# KiCad board Combined.kicad_pcb (continued)
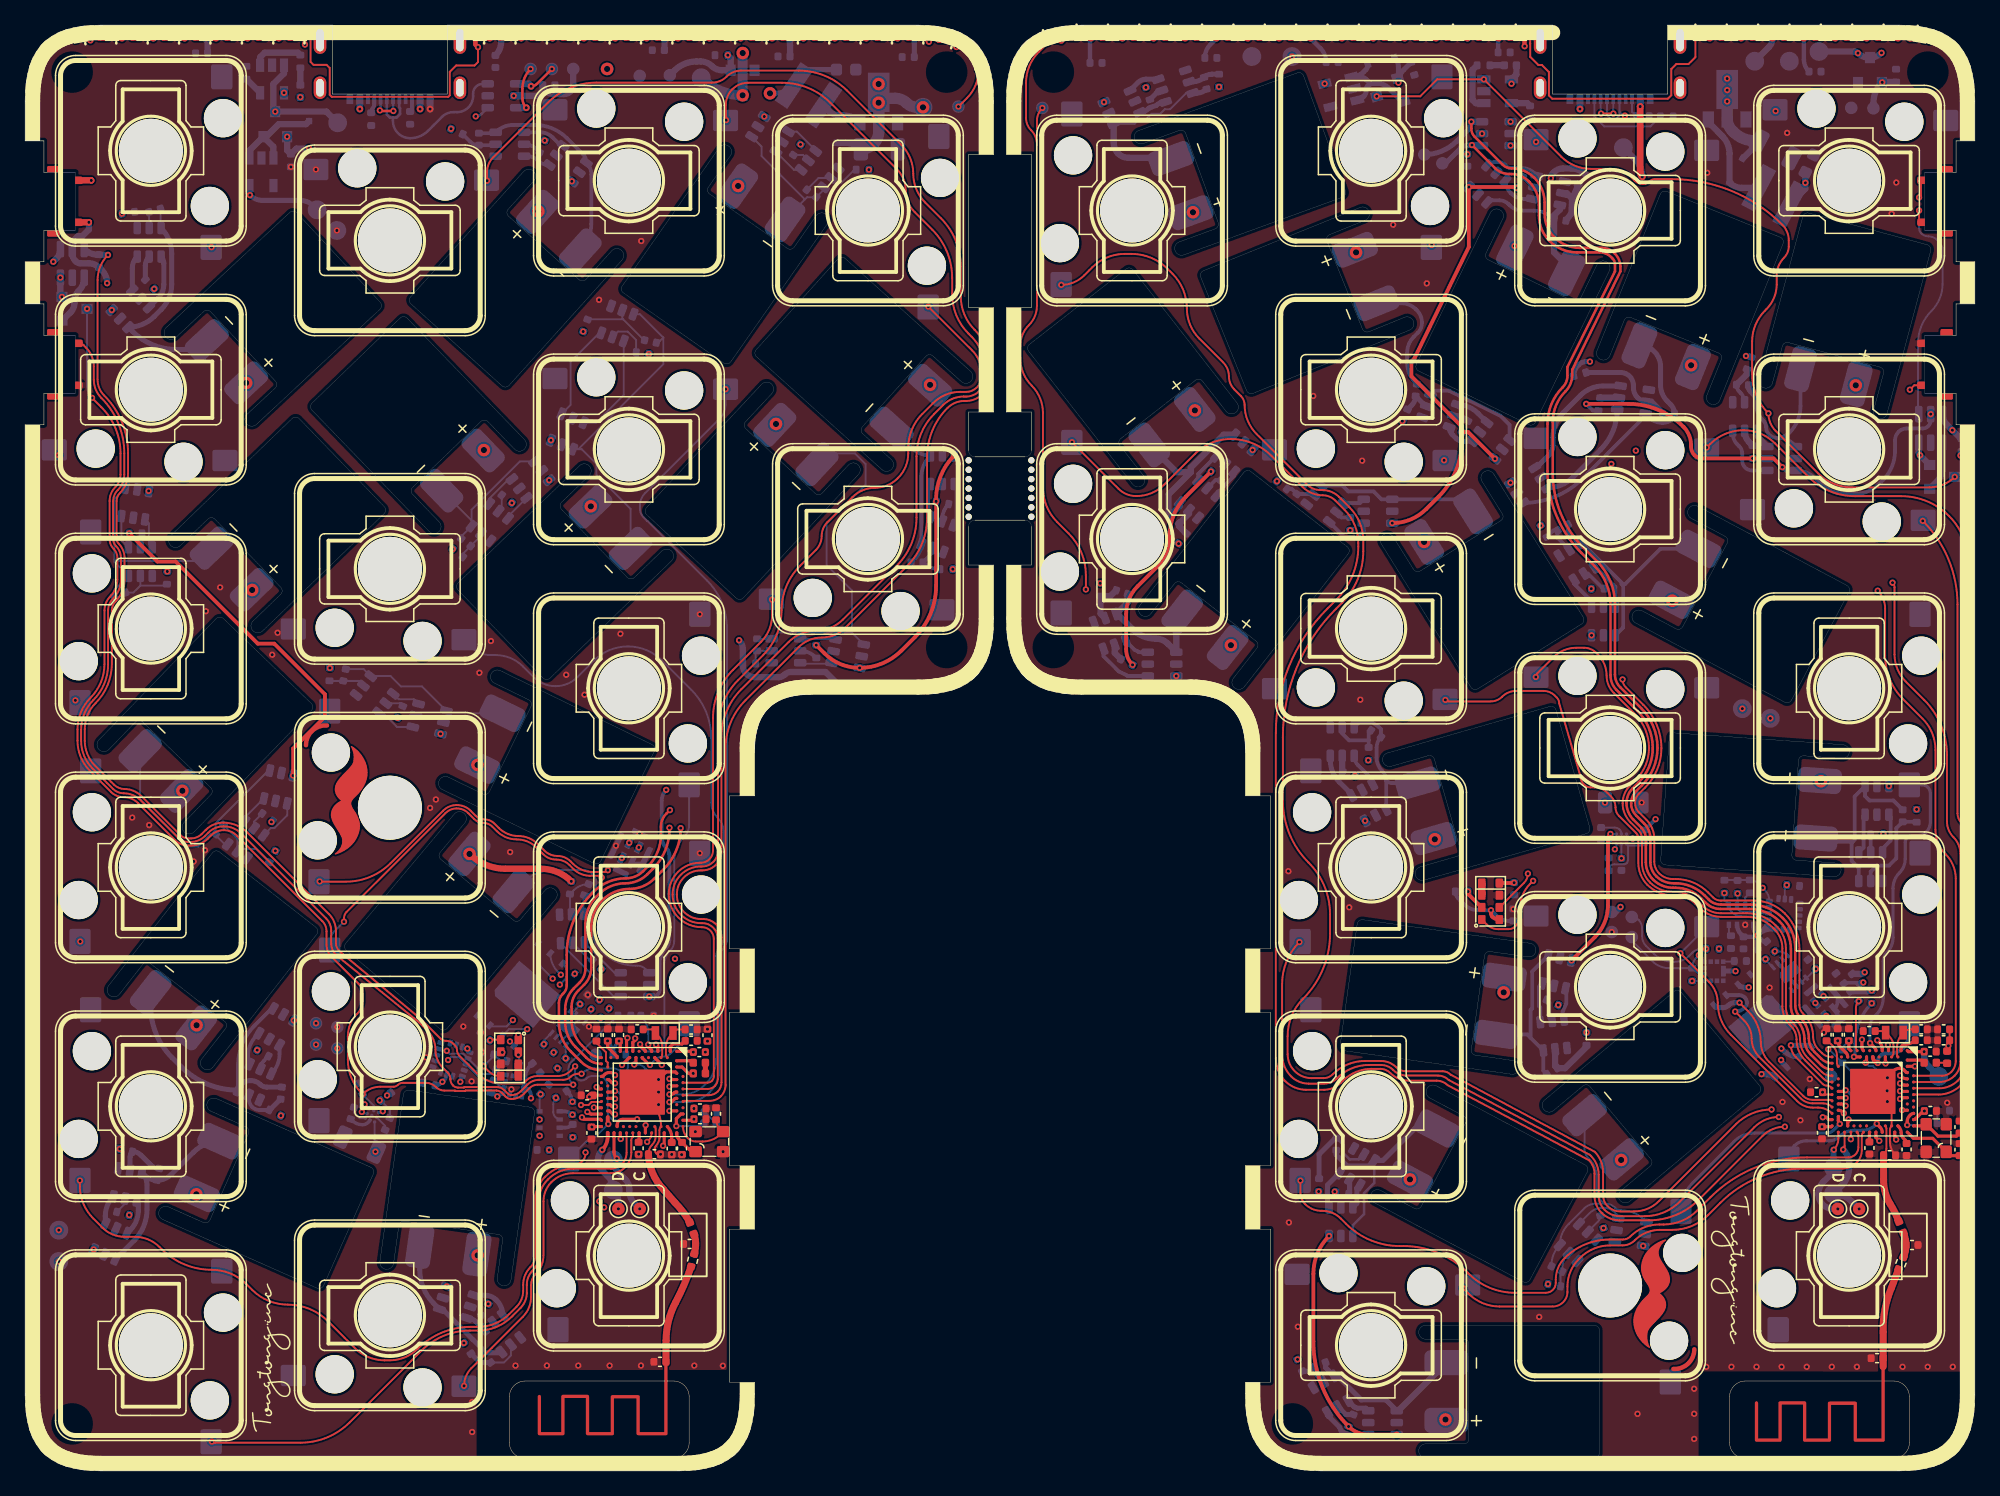
[diagram p0: board, top side]
## Routing (per net, layer and track width the routed paths; a pad name or vN(x,y) marks a point on that pad's centre or on a via; arc(x,y) is an arc through that point) (continued)
P0.30: length 154
  Top w0.15: v2(45.96,47.32) 45.89,47.39 arc(45.81,47.44) 45.72,47.46 45.03,47.46 arc(44.31,47.6) 43.69,48.02 43.39,48.32 arc(42.91,48.64) 42.34,48.75 arc(41.77,48.86) 41.29,49.18 40.77,49.7 arc(40.04,50.19) 39.19,50.36 arc(38.33,50.53) 37.6,51.02 37.23,51.38 arc(36.9,51.6) 36.52,51.68 arc(36.13,51.76) 35.8,51.98 35.32,52.45 arc(34.91,52.73) 34.41,52.83 arc(33.92,52.73) 33.5,52.45 25.62,44.57 arc(25.47,44.35) 25.42,44.09 v2(25.42,43.8)
  Top w0.25: v2(149.43,31.53) 149.48,31.49 arc(149.72,31.32) U30.B9 ; U30#2.B9 51.45,31.21 arc(51.41,31.22) 51.38,31.24 v2(51.36,31.27)
  In1.Cu w0.15: v2(149.43,31.53) 149.77,31.53 arc(150.77,31.73) 151.61,32.29 arc(152.79,34.05) 153.2,36.13 153.2,67.71 arc(152.86,69.46) 151.86,70.94 151.54,71.27 arc(150.47,71.98) 149.21,72.23 149.21,72.23 arc(147.67,72.54) 146.36,73.41 144.85,74.92 arc(144.46,75.51) 144.32,76.2 arc(144.08,77.44) 143.38,78.49 139.66,82.21 arc(137.76,83.48) 135.52,83.92 134.52,83.92 arc(132.99,84.23) 131.69,85.09 130.35,86.44 arc(129.68,86.89) 128.88,87.04 126.35,87.04 arc(125.49,87.21) 124.75,87.7 124.38,88.08 arc(124.26,88.26) 124.21,88.47 arc(124.25,88.68) 124.37,88.85 125.07,89.55 127.87,96.46 arc(127.78,96.88) 127.55,97.23 127.53,97.24 arc(127.26,97.43) 126.93,97.49 126.28,97.49 arc(125.01,97.75) 123.93,98.47 121.63,100.77 arc(120.73,102.11) 120.41,103.7 120.41,105.96 arc(120.42,105.97) v2(120.42,105.98)
  In2.Cu w0.15: v2(51.36,31.27) 51.89,31.27 arc(52.17,31.21) 52.41,31.05 arc(52.63,30.9) 52.89,30.85 53.41,30.85 arc(53.85,30.94) 54.22,31.19 54.66,31.63 arc(54.87,31.93) 54.94,32.29 54.94,39.06 arc(54.52,41.15) 53.34,42.93 50.63,45.63 arc(49.42,46.44) 47.99,46.73 47.4,46.73 arc(46.62,46.88) v2(45.96,47.32)
  Bottom w0.15: K8.2 24.27,42.1 arc(24.38,42.62) 24.67,43.05 v2(25.42,43.8)
P0.31: length 82
  Top w0.15: U30.A8 152.79,31.51 arc(153.18,31.59) 153.51,31.81 arc(153.78,32.21) 153.87,32.68 153.87,47.23 arc(153.66,48.29) 153.06,49.18 arc(152.46,50.08) 152.25,51.14 152.25,57.51 arc(151.99,58.85) 151.22,59.99 149.68,61.54 arc(148.62,63.13) 148.24,65 148.24,68.77 arc(148.09,69.54) v2(147.65,70.19)
  In1.Cu w0.15: v2(147.65,70.19) 145.18,72.67 arc(143.63,73.7) 141.81,74.06 arc(140.32,74.36) 139.05,75.21 137.52,76.74 arc(135.69,77.96) 133.52,78.39 130.75,78.39 arc(129.86,78.57) 129.1,79.07 arc(128.53,79.46) 127.85,79.59 120.87,79.59 arc(119.85,79.8) 118.98,80.38 118.43,80.93 arc(117.6,81.48) 116.63,81.67 115.7,81.67 arc(114.29,81.39) v2(113.09,80.59)
P1.04: length 102
  Top w0.15: U30#2.U24 47.94,25.36 arc(47.84,24.88) 47.57,24.47 arc(47.17,24.2) 46.7,24.11 43.72,24.11 arc(42.63,23.89) 41.7,23.28 41.65,23.22 arc(41.14,22.46) 40.96,21.55 40.96,17.19 arc(40.83,16.53) 40.46,15.98 arc(40.11,15.46) 39.99,14.85 39.99,14.2 arc(39.86,13.55) 39.49,13.01 38.79,12.31 arc(37.56,11.48) 36.1,11.19 35.46,11.19 arc(33.36,10.77) 31.58,9.58 25.87,3.88 arc(24.07,2.67) 21.95,2.25 15.1,2.25 arc(14.99,2.27) v2(14.89,2.34) ; v2(101.64,23.15) 101.64,22.19 arc(101.74,21.69) 102.02,21.27 arc(102.61,20.88) 103.3,20.74 103.38,20.74 arc(104.18,20.59) 104.85,20.14 105.28,19.7 arc(107.24,18.39) 109.56,17.93 109.86,17.93 arc(112.62,17.39) 114.95,15.83 115.03,15.74 arc(116.74,14.6) 118.75,14.2 121.19,14.2 arc(121.76,14.44) 121.99,15 121.99,15.26 arc(122.18,16.19) 122.7,16.97 122.71,16.98 arc(124.34,18.07) 126.27,18.45 127.35,18.45 arc(127.67,18.52) 127.93,18.69 arc(129,19.4) 130.25,19.65 130.59,19.65 arc(132.04,19.94) 133.26,20.76 134.31,21.81 arc(137.85,24.17) 142.02,25 145.31,25 arc(145.88,25.24) 146.11,25.8 146.11,26.77 arc(146.09,26.9) U30.U24
P1.06: length 67
  Top w0.15: v2(114.6,14.57) 115.04,14.14 arc(116.17,13.38) 117.51,13.11 121.76,13.11 arc(122.58,13.45) 122.92,14.27 122.92,14.7 arc(123.16,15.89) 123.83,16.89 123.94,17 arc(125.03,17.73) 126.32,17.98 127.3,17.98 arc(127.84,18.09) 128.29,18.39 arc(129.21,19.01) 130.3,19.22 131.29,19.22 arc(132.83,19.53) 134.13,20.4 135.11,21.38 arc(138.14,23.4) 141.71,24.11 144.84,24.11 arc(145.45,24.24) 145.97,24.58 arc(146.28,25.04) 146.38,25.57 146.38,26.7 arc(146.42,26.87) U30.R24 ; U30#2.R24 48.44,26.66 arc(48.43,26.65) 48.43,26.64 arc(48.35,26.52) 48.32,26.37 48.32,25.39 arc(47.83,24.22) 46.67,23.74 43.65,23.74 arc(42.73,23.56) 41.96,23.04 arc(41.48,22.33) 41.32,21.49 41.32,17.21 arc(41.15,16.39) 40.69,15.69 arc(40.42,15.29) 40.33,14.82 40.33,13.88 arc(40.16,13.02) 39.67,12.29 35.57,8.2 arc(35.14,7.55) v2(34.99,6.78)
P1.13: length 130.1
  Top w0.15: U30#2.A16 52.46,29.49 arc(52.49,29.5) 52.52,29.51 54.57,29.51 arc(55.05,29.61) 55.46,29.88 arc(55.73,30.29) 55.83,30.77 55.83,57.62 arc(56.24,59.7) 57.42,61.46 61.65,65.69 arc(62.5,66.26) 63.51,66.46 arc(64.51,66.66) 65.37,67.23 70.29,72.16 arc(71.47,73.92) 71.89,76 71.89,80.84 arc(72.31,82.96) 73.51,84.77 arc(74.13,85.18) 74.86,85.33 75.01,85.33 arc(76.27,85.84) 76.79,87.1 76.79,88.34 arc(76.5,89.77) 75.69,90.99 75.67,91.01 arc(74.86,92.22) 74.58,93.65 74.58,96.06 arc(74.16,98.14) 72.98,99.9 71.74,101.15 arc(71.03,102.2) 70.79,103.45 arc(70.54,104.7) 69.83,105.75 65.51,110.08 arc(63.74,111.26) 61.66,111.67 57.07,111.67 arc(56.44,111.55) 55.91,111.19 arc(55.37,110.83) 54.75,110.71 45.52,110.71 arc(43.44,110.3) 41.67,109.12 37.3,104.74 arc(36.94,104.21) 36.82,103.58 v2(36.82,102.89)
P1.14: length 137.2
  Top w0.15: v2(139.77,28.22) arc(138.72,28.01) 137.83,27.42 131.89,21.48 arc(130.6,20.62) 129.07,20.31 127.12,20.31 arc(126.45,20.45) 125.88,20.82 arc(125.54,21.34) 125.41,21.96 125.41,23.62 arc(125.25,24.44) 124.79,25.13 124.72,25.19 113.46,31.17 arc(113.07,31.44) 112.6,31.53 110.08,31.53 arc(109.52,31.64) 109.05,31.96 arc(108.59,32.27) 108.05,32.37 107.09,32.37 arc(105.73,32.1) 104.57,31.33 104.56,31.31 arc(104.08,30.99) 103.52,30.88 102.31,30.88 arc(101.55,31.03) 100.91,31.46 arc(100.37,32.26) 100.18,33.2 100.18,38.84 arc(100.54,40.64) v2(101.56,42.17)
  Top w0.25: U30.B15 149.66,29.76 arc(149.54,29.74) v2(149.43,29.67) ; v2(51.36,29.41) 51.43,29.41 arc(51.5,29.42) 51.56,29.46 51.76,29.66 arc(51.81,29.7) 51.87,29.71 U30#2.B15
  In2.Cu w0.15: v2(139.77,28.22) 139.77,27.41 arc(139.82,27.15) 139.97,26.94 arc(140.54,26.56) 141.22,26.42 143.42,26.42 arc(144.78,26.69) 145.93,27.46 146.36,27.88 arc(146.84,28.21) 147.41,28.32 147.87,28.32 arc(148.43,28.43) 148.9,28.75 149.16,29.01 arc(149.36,29.31) v2(149.43,29.67)
  Bottom w0.15: 55.83,85.66 55.83,85.02 arc(55.71,84.44) 55.38,83.94 49.43,77.99 arc(49.11,77.51) 49,76.95 49,76.74 arc(49.07,76.37) 49.29,76.04 49.57,75.76 arc(49.58,75.76) 49.59,75.75 arc(49.6,75.75) 49.61,75.75 54.35,71.01 arc(55.53,69.24) 55.94,67.16 55.94,42.39 arc(55.87,42.01) 55.65,41.68 arc(55.43,41.36) 55.36,40.97 55.36,32.11 arc(55.15,31.07) 54.57,30.2 arc(53.69,29.61) 52.66,29.41 v2(51.36,29.41)
  vias: v2(55.83,86.26)
P1.15: length 183.2
  Top w0.15: v2(55.87,107.72) 55.86,107.73 arc(55.85,107.74) 55.85,107.75 55.85,108.92 arc(55.98,109.6) 56.37,110.18 arc(56.94,110.56) 57.62,110.7 60.33,110.7 arc(62.41,110.29) 64.18,109.11 69.48,103.81 arc(70,103.02) 70.19,102.1 arc(70.37,101.18) 70.89,100.39 72.29,98.99 arc(73.47,97.23) 73.89,95.15 73.89,93.85 arc(74.23,92.14) 75.19,90.69 75.44,90.45 arc(76.22,89.28) 76.5,87.9 76.5,87.19 arc(76.05,86.12) 74.99,85.68 74.82,85.68 arc(74.81,85.68) 74.81,85.68 arc(73.92,85.5) 73.16,85 72.45,84.28 arc(71.41,82.73) 71.05,80.9 71.05,76.01 arc(70.63,73.93) 69.45,72.17 65.18,67.9 arc(64.19,67.23) 63.02,67 arc(61.85,66.77) 60.85,66.1 57.09,62.34 arc(55.91,60.58) 55.5,58.49 55.5,49.4 arc(55.05,48.33) 53.99,47.89 53.86,47.89 arc(52.51,47.33) 51.95,45.98 51.95,45.94 arc(52.51,44.58) 53.88,44.01 54.04,44.01 arc(55.08,43.58) 55.51,42.55 55.51,30.98 arc(55.43,30.59) 55.21,30.26 arc(54.87,30.04) 54.48,29.96 U30#2.A14 ; U30.A14 152.49,30.01 arc(153.45,30.2) 154.25,30.74 arc(154.73,31.45) 154.89,32.29 154.89,72.37 arc(154.49,74.42) 153.32,76.16 arc(151.59,77.33) 149.53,77.73 145.84,77.73 arc(143.84,78.13) 142.14,79.26 139.45,81.96 arc(138.3,82.72) 136.95,82.99 arc(135.52,82.71) 134.31,81.9 v2(134.02,81.61)
SCL: length 117.3
  Top w0.15: 117.52,44.95 119.47,46.9 arc(119.7,47.24) v2(119.77,47.63)
  Top w0.25: v2(47.58,32.38) 48.16,32.96 U30#2.T2 ; U30.T2 145.77,33.01 v2(145.76,33.03)
  In1.Cu w0.15: 134.11,45.4 134.35,45.63 arc(134.85,45.97) v2(135.43,46.08) 135.78,46.43 arc(135.87,46.49) 135.98,46.51 136.5,46.51 arc(136.68,46.48) 136.83,46.37 arc(136.92,46.24) 136.95,46.08 136.95,45.4 arc(136.91,45.18) 136.78,44.99 arc(136.66,44.8) 136.61,44.58 136.61,43.43 arc(136.65,43.28) 136.73,43.14 137.73,42.14 arc(138.52,41.62) v2(139.45,41.43) 140.93,39.96 arc(141.65,39.47) 142.5,39.3 143.74,39.3 arc(145.06,39.04) 146.17,38.29 v2(147.17,37.29) ; 134.11,45.4 134.11,41.97 arc(134.08,41.79) v2(133.97,41.63) ; 134.11,45.4 arc(133.97,46.11) 133.57,46.7 133.34,46.93 arc(132.76,47.33) 132.06,47.46 130.72,47.46 arc(130.14,47.58) 129.65,47.9 128.83,48.72 arc(128.31,49.5) v2(128.13,50.42) arc(127.81,50.21) 127.43,50.13 125.81,50.13 arc(122.54,49.48) v2(119.77,47.63) ; 45.81,26.98 45.83,26.98 arc(46.41,27.1) 46.91,27.43 47,27.52 arc(47.43,28.16) 47.58,28.91 v2(47.58,32.38) arc(47.07,33.14) 46.89,34.05 46.89,34.16 arc(46.71,35.04) 46.21,35.79 v2(45.87,36.13) ; 45.81,26.98 45.12,26.98 arc(44.95,27.02) 44.82,27.11 43.7,28.22 arc(43.65,28.31) v2(43.63,28.41) 43.6,28.44 arc(43.24,28.98) 43.11,29.63 43.11,31.68 arc(43.2,32.15) 43.47,32.55 arc(43.56,32.69) 43.6,32.86 43.6,32.9 arc(43.57,33.05) 43.48,33.17 43.43,33.23 arc(42.54,33.82) 41.5,34.03 v2(41.35,34.03) arc(41.14,33.89) 40.89,33.84 39.16,33.84 arc(38.55,33.72) v2(38.04,33.38) ; 45.81,26.98 45.82,26.99
  In2.Cu w0.15: 28.16,30.38 27.91,30.13 arc(27.71,29.82) 27.64,29.46 27.64,29.22 arc(27.59,28.99) 27.46,28.8 arc(27.27,28.67) 27.05,28.63 v2(26.84,28.63) ; 28.16,30.38 28.49,30.71 arc(28.71,30.85) 28.96,30.9 29.09,30.9 arc(30.13,31.11) 31,31.69 31.48,32.17 arc(31.74,32.34) 32.04,32.4 arc(32.47,32.49) 32.83,32.73 v2(33.6,33.5) 34.3,33.5 arc(34.56,33.45) 34.79,33.3 arc(35.31,32.95) 35.93,32.83 36.71,32.83 arc(37.43,32.97) v2(38.04,33.38) ; 28.16,30.38 arc(27.86,30.43) 27.61,30.6 25.15,33.06 arc(24.96,33.35) v2(24.89,33.7)
  Bottom w0.15: v2(128.13,50.42) 128.1,50.4 U31#2.A2 ; v2(133.97,41.63) 133.6,41.63 arc(133.21,41.55) 132.88,41.33 132.65,41.1 arc(132.09,40.72) 131.43,40.59 131.35,40.59 arc(130.53,40.76) 129.84,41.22 129.19,41.86 arc(128.96,42.22) 128.87,42.64 128.87,43.28 arc(128.8,43.63) 128.6,43.93 128.58,43.95 arc(128.34,44.12) REF**#12.1 ; v2(33.6,33.5) 33.84,33.27 34.93,33.27 U34.2 36.04,32.17 36.04,31.92 36.31,31.65 37.15,31.65 R55.1 37.69,31.87 arc(38.01,31.66) U40.1 ; v2(41.35,34.03) 41.35,34.32 U36#2.4 ; v2(135.43,46.08) 135.43,45.51 U35#2.4 arc(135.85,44.83) 136.04,44.55 arc(136.39,44.31) 136.8,44.23 137.88,44.23 arc(138.01,44.21) 138.12,44.13 138.17,44.08 arc(138.3,44) 138.45,43.97 U34#2.2 ; 133.84,41.5 U40#2.1 ; U31.A2 26.97,28.5 v2(26.84,28.63) ; 139.73,41.43 arc(140.11,41.36) U36.4
  Bottom w0.25: v2(145.76,33.03) 145.85,33.12 145.85,34.09 arc(146.19,35.83) v2(147.17,37.29)
  Bottom w0.3: U35.4 42.96,28.68 arc(43.3,28.61) R49.1
SDA: length 125.4
  Top w0.15: v2(39.32,34.78) 39.32,34.41 ; v2(120.19,47.06) 119.96,46.82 arc(119.36,45.92) 119.14,44.86 119.14,44.34 arc(119.05,43.84) 118.76,43.42 arc(118.52,43.26) 118.23,43.2 117.4,43.2 arc(116.91,43.3) 116.48,43.58 U37#2.1 ; v2(146.14,37.46) arc(145.97,37.21) 145.91,36.91 145.91,33.75 arc(145.94,33.62) U30.U1
  Top w0.25: v2(48,34.53) 47.94,34.46 U30#2.U1
  In1.Cu w0.15: v2(46.54,36.88) 47.38,36.05 arc(47.84,35.35) v2(48,34.53) 48.02,34.51 48.02,29.32 arc(47.81,28.23) 47.19,27.31 47.13,27.25 arc(46.52,26.84) 45.8,26.7 45.11,26.7 arc(44.82,26.76) 44.58,26.92 43.64,27.86 arc(43.58,27.9) 43.52,27.91 arc(43.43,27.93) 43.36,27.97 42.82,28.52 arc(42.44,29.08) v2(42.31,29.75) 42.31,30.01 arc(42.1,31.05) 41.51,31.94 ; 41.51,31.94 42.03,32.46 arc(42.51,32.79) v2(43.09,32.9) ; 41.51,31.94 arc(40.85,32.38) 40.08,32.53 38.37,32.53 arc(38.11,32.58) 37.89,32.73 ; v2(39.32,34.78) 38.84,34.78 arc(38.42,34.7) 38.06,34.46 37.92,34.33 arc(37.63,33.89) 37.53,33.37 arc(37.58,33.11) 37.72,32.89 37.89,32.73 ; 37.89,32.73 arc(37.71,32.85) 37.5,32.89 34.01,32.89 arc(33.85,32.86) v2(33.71,32.77) ; v2(146.14,37.46) 145.53,38.07 arc(144.6,38.69) 143.5,38.91 141.95,38.91 arc(140.71,39.16) 139.66,39.86 v2(138.71,40.81) arc(138.65,40.82) 138.6,40.86 136.5,42.95 arc(136.37,43.15) 136.32,43.39 136.32,45.03 arc(136.35,45.13) 136.4,45.22 arc(136.46,45.31) 136.48,45.42 v2(136.48,46.04) arc(136.12,45.97) 135.82,45.77 134.96,44.91 arc(134.59,44.36) 134.46,43.71 134.46,41.61 arc(134.43,41.43) 134.32,41.27 arc(134.16,41.17) 133.97,41.13 v2(133.4,41.13) 133.4,45.77 arc(133.31,46.22) 133.05,46.6 arc(132.49,46.98) 131.82,47.11 130.8,47.11 arc(130.02,47.27) 129.35,47.71 128.05,49.01 arc(127.43,49.43) v2(126.7,49.57) 126.27,49.57 arc(122.98,48.92) v2(120.19,47.06)
  In2.Cu w0.15: v2(33.71,32.77) 33.64,32.69 arc(32.92,32.22) 32.09,32.05 arc(31.88,32.01) 31.7,31.89 30.83,31.02 arc(30.48,30.78) 30.06,30.7 arc(29.97,30.68) 29.89,30.63 29.61,30.35 arc(29.54,30.24) 29.51,30.11 29.51,30.01 arc(29.45,29.7) 29.28,29.44 28.52,28.69 arc(28.52,28.68) v2(28.51,28.68) 28.21,28.38 arc(27.73,28.06) 27.16,27.95 26.97,27.95 arc(26.64,28.01) 26.36,28.2 arc(26.19,28.45) 26.14,28.74 26.14,30.07 arc(25.88,31.35) 25.16,32.43 23.87,33.72 arc(23.56,33.93) v2(23.19,34)
  Bottom w0.15: v2(133.4,41.13) 133.22,40.94 arc(132.96,40.55) R56#2.1 131.03,40.09 arc(130.31,40.24) 129.71,40.64 128.25,42.09 arc(128.11,42.31) REF**#21.1 ; U31.C1 28.4,28.57 v2(28.51,28.68) ; R51.1 42.3,29.75 arc(42.15,29.52) 42.1,29.25 42.1,28.61 arc(42.14,28.41) 42.26,28.23 42.36,28.13 arc(42.47,28.05) U35.3 ; U34#2.3 138.55,44.47 arc(138.47,44.49) 138.39,44.53 arc(138.34,44.57) 138.27,44.58 136.93,44.58 arc(136.73,44.62) 136.56,44.73 arc(136.47,44.87) 136.44,45.03 ; v2(136.48,46.04) 136.48,45.2 ; v2(43.09,32.9) 43.09,33.92 arc(43.09,33.95) U36#2.1 ; v2(33.71,32.77) 33.94,33 34.57,33 U34.3 36.43,31.14 R56.1 37.73,30.78 arc(37.94,30.64) U40.11 ; U31#2.C1 126.83,49.7 v2(126.7,49.57) ; 138.71,40.75 U36.1 ; 133.02,39.94 arc(133.39,39.69) U40#2.11
Net-(AE1-Pad1): length 32.4
  Top w0.15: 148.08,8.31 148.1,12.24 148.79,14.8 R39#2.2 ; 51.11,8.73 51.11,11.41 51.34,11.64 51.34,12.68 51.85,13.19 51.85,13.61 52.19,13.95 52.19,14.28 52.63,14.72 52.63,15.54 53.08,16 R39.2
  Top w0.556: 51.08,8.67 51.09,10.4 arc(51.28,11.97) 51.85,13.45 arc(52.52,14.85) R39.2 ; 148.08,8.31 148.08,11.07 arc(148.23,12.87) 148.74,14.59 R39#2.2
Net-(C1-Pad1): length 10.4
  Bottom w0.15: Q11#2.5 9.89,100.38 ; R11#2.2 9.86,100.4
  Bottom w0.4: R11.2 127.16,87.59 arc(127.88,87.29) 128.18,86.57 128.18,86.37 arc(128.51,85.6) Q11.5 129.65,85.27 130.49,84.43 C1.1
Net-(C2-Pad1): length 8.2
  Bottom w0.4: Q12#2.5 8.36,25.03 arc(8.41,25.26) R12.2 arc(8.92,25.39) 9.24,25.18 10,24.41 arc(10.33,24.2) C2#2.1
  Bottom w0.5: 123.3,101.46 123.25,100.3 C2.1 ; 123.3,101.46 122.87,101.89 Q12.5 ; 123.3,101.46 123.64,102.16 R12#2.2
Net-(C3-Pad1): length 8.7
  Bottom w0.15: R13#2.2 18.42,49.6 17.09,49.6 ; Q13.5 16.92,50.4 C3.1
  Bottom w0.5: Q13#2.5 85.71,68.36 R13.2 86.49,69.76 C3#2.1
Net-(C4-Pad1): length 9.7
  Bottom w0.15: Q14#2.5 C4.1 arc(58.26,65.37) 58.23,65.29 R14.2
  Bottom w0.3: 150.72,51.76 C4#2.1 149.13,51.25 149.13,48.85 148.55,48.27 147.57,48.27 147.09,47.79 Q14.5
Net-(C5-Pad1): length 4.6
  Bottom w0.15: 34.89,73.13 C5.1 36.34,74.58
  Bottom w0.4: Q15#2.5 93.12,110.78 arc(93.58,110.88) C5#2.1 arc(94.24,111.32) 94.57,111.38 R15.2
Net-(C6-Pad1): length 7.4
  Bottom w0.15: 9.19,70.6 8.63,70.04 C6#2.1 ; 9.19,70.6 11.19,70.6 ; 9.19,70.6 Q16.5
  Bottom w0.3: C6.1 arc(136.45,86.32) 136.63,86.06 136.75,85.94 arc(136.97,85.61) Q16#2.5
  Bottom w0.5: R16#2.2 137.23,87.46 C6.1
Net-(C7-Pad1): length 7.7
  Bottom w0.3: R17#2.2 35.46,106.01 arc(35.79,105.8) C7#2.1 37.31,105.72 arc(37.41,105.74) Q17.5
  Bottom w0.5: R17.2 124.44,33.82 122.73,32.11 C7.1 121.94,32.29 Q17#2.5
Net-(C8-Pad1): length 13.2
  Bottom w0.15: Q18#2.5 47.6,91.91 47.67,91.84 ; 49.34,90.17 47.67,91.84 ; 47.67,91.84 44.85,91.84
  Bottom w0.2: C8.1 105.07,25.99 105.07,25.34 105.57,24.84 106.31,24.84 Q18.5
  Bottom w0.4: C8.1 104.41,26.53 103.13,25.25 R18.2
Net-(C9-Pad1): length 5.3
  Bottom w0.15: Q23.5 26.59,63 C9#2.1 24.27,63
  Bottom w0.5: Q23#2.5 92.76,76.34 C9.1 91.98,75.33 R23.2
Net-(C10-Pad1): length 7.7
  Bottom w0.15: C10#2.1 63.24,103.11 Q24.5 64.64,102.69 65.02,102.69 66.1,103.77
  Bottom w0.3: R24.2 121.79,74.99 C10.1 122.13,74.42 Q24#2.5
Net-(C11-Pad1): length 5.4
  Bottom w0.3: R25.2 72.89,71.91 arc(72.18,72.05) C11#2.1 72.04,72.93 arc(72.25,73.24) Q25#2.5
  Bottom w0.4: R25#2.2 110.52,84.99 arc(110.75,85.32) C11.1 111.59,84.95 arc(111.63,84.92) Q25.5
Net-(C12-Pad1): length 6
  Bottom w0.3: Q26#2.5 17.83,29.67 arc(17.9,29.32) 18.1,29.02 arc(18.37,28.84) 18.67,28.78 R26.2 ; 102.66,77.9 C12#2.1 100.97,78.3 R26#2.2
  Bottom w0.4: C12.1 19.52,28.8 arc(19.5,28.79) R26.2
Net-(C13-Pad1): length 8.8
  Bottom w0.15: Q30.5 38.72,9.2 38.16,8.65 C13#2.1
  Bottom w0.3: C13.1 107.08,58.88 107.08,58.26 ; Q30#2.5 104.97,58.8 105.51,58.26 107.08,58.26 ; 107.08,58.26 R30.2
  Bottom w0.4: R30#2.2 36,8.9 arc(36.3,8.7) 36.65,8.63 37.07,8.63 arc(37.09,8.63) C13#2.1
Net-(C14-Pad1): length 6
  Bottom w0.15: Q31#2.5 arc(43.46,44.52) 43.42,44.69 R31#2.2 43.72,46.3 arc(44.27,46.67) C14.1
  Bottom w0.4: R31.2 102.37,7.95 C14#2.1 102.74,7.85 Q31.5
Net-(C22-Pad1): length 6.4
  Top w0.15: C22.1 150.32,35.21 arc(149.98,35.14) X1#2.1 arc(149.32,34.4) 149.19,33.76 149.19,33.08 U30.D2 ; C22#2.1 51.91,35.2 X1.1 51.47,34.76 arc(51.18,34.32) 51.07,33.8 51.07,33.23 arc(51.1,33.08) U30#2.D2
Net-(C23-Pad1): length 6.3
  Top w0.15: C23#2.1 49.95,35.21 X1.2 50.44,34.72 arc(50.69,34.35) 50.77,33.91 50.77,33.17 arc(50.75,33.06) U30#2.F2 ; C23.1 147.98,35.07 arc(148.15,35.04) X1#2.2 148.58,34.65 arc(148.83,34.28) 148.92,33.84 148.92,33.38 arc(148.88,33.18) U30.F2
Net-(C26-Pad2): length 3.4
  Top w0.25: U30#2.C1 51.42,33.48 51.42,33.83 51.64,34.05 52.36,34.05 C26.2 ; U30.C1 149.51,33.7 arc(149.61,33.94) 149.84,34.03 149.9,34.03 arc(150.3,34.11) C26#2.2
Net-(C27-Pad2): length 4.6
  Top w0.15: U30#2.AC5 46.44,32.56 46.3,32.7 46.3,33.38 45.54,34.14 ; 143.71,34.25 144.11,33.84 arc(144.33,33.52) 144.4,33.14 144.4,32.53 arc(144.43,32.38) U30.AC5
Net-(C29-Pad1): length 25
  Top w0.15: C30.1 C29.1 153.38,34 v2(153.28,33.9) 153.28,33.58
  Top w0.25: v2(150.61,32.26) U30.B5 ; U30.E24 149.01,26.69 arc(149.04,26.55) v2(149.12,26.42) ; U30#2.E24 50.94,26.02 v2(50.85,25.93) ; U30#2.B5 52.36,32.21 52.87,31.7 v2(53.25,31.7)
  In1.Cu w0.15: v2(50.85,25.93) 50.85,26.37 arc(51,27.16) 51.46,27.84 51.96,28.34 arc(52.58,28.75) v2(53.31,28.9) 53.31,31.57 arc(53.29,31.64) v2(53.25,31.7) arc(53.62,32.25) 53.75,32.9 53.75,33.43 arc(53.78,33.61) 53.89,33.77 v2(54.39,34.27)
  In2.Cu w0.25: v2(153.28,33.9) 152.37,32.99 arc(151.57,32.45) v2(150.61,32.26) 150.61,30.15 arc(150.41,29.12) 149.82,28.24 arc(149.31,27.47) 149.12,26.55 v2(149.12,26.42)
Net-(C34-Pad2): length 1.6
  Top w0.25: C34#2.2 146.99,26.99 U30.N24 ; C34.2 48.94,26.25 U30#2.N24
Net-(C35-Pad2): length 29.3
  Top w0.15: L3#2.1 148.52,21.52 148.12,22.84 C35.2 arc(148.29,25.42) 148.34,25.71 148.34,27.32 arc(148.32,27.42) U30.H23 ; L3.1 52.97,19.97 52.62,20.32 52.62,20.47 52.46,20.63 52.44,20.63 52.29,20.78 52.29,20.87 52.15,21.01 52.14,21.01 52,21.15 52,21.2 51.76,21.44 51.75,21.44 51.27,21.92 51.27,22.03 50.61,22.69 50.61,22.82 50.37,23.06 50.36,23.06 50.26,23.16 50.26,23.4 50.01,23.65 50.01,23.93 49.88,24.06 49.88,24.46 49.68,24.66 C35#2.2 49.68,25.29 arc(49.75,25.68) 49.98,26.01 arc(50.18,26.32) 50.26,26.69 50.26,27.29 arc(50.24,27.38) U30#2.H23
  Top w0.556: 49.68,25.28 arc(50.01,23.75) 50.88,22.45 51.79,21.4 arc(52.44,20.65) 52.99,19.81 ; 148.12,25.21 148.12,23.27 arc(148.24,22.26) 148.62,21.32 arc(149.02,20.62) L3#2.1
Net-(C36-Pad2): length 9.1
  Top w0.15: U30#2.A23 52.44,27.46 arc(52.54,26.96) 52.82,26.54 arc(53.12,26.34) 53.47,26.27 54,26.27 arc(54.78,26.43) 55.45,26.87 X2#2.3 55.33,27.37 arc(55.13,27.66) C36#2.2
  Top w0.25: C36.2 153.92,26.69 152.46,26.69 X2.3 ; U30.A23 151.2,27.51
Net-(C37-Pad2): length 6.8
  Top w0.25: X2.1 152.03,26.52 150.5,26.52 U30.B24 ; U30#2.B24 51.94,26.85 arc(51.98,26.64) 52.1,26.46 C37#2.2 52.86,25.7 arc(53.12,25.52) X2#2.1 ; C37.2 153.42,25.14
Net-(C38-Pad1): length 3
  Top w0.25: U30.D23 149.32,27.46 arc(149.47,27.23) 149.52,26.96 arc(149.57,26.72) 149.71,26.52 149.84,26.39 arc(149.92,26.26) C38.1 ; C38#2.1 51.54,26.62 arc(51.45,27.07) U30#2.D23
Net-(C39-Pad2): length 7.2
  Top w0.15: R39.1 53.33,18.04 ; R39#2.1 149.91,17.25 C39.2 149.91,18.78 L3#2.2 ; 53.39,18.81 53.39,18.1
  Top w0.556: 53.33,18.9 arc(53.44,18.1) R39.1 ; L3#2.2 arc(149.91,18.01) R39#2.1
Net-(C41-Pad2): length 3.7
  Bottom w0.15: C41.2 126.69,51.3 arc(126.91,51.26) 127.09,51.14 arc(127.19,50.98) U31#2.B3
  Bottom w0.27: C41#2.2 26.05,27.96 arc(26.43,27.7) 26.88,27.61 arc(27.13,27.66) 27.35,27.8 27.46,27.91 arc(27.48,27.94) U31.B3
Net-(C49-Pad1): length 2.2
  Bottom w0.15: U40#2.4 136.18,40.62
  Bottom w0.3: C49#2.1 40.28,32.35 arc(39.97,31.88) U40.4
Net-(D1-Pad1): length 16.9
  Bottom w0.4: 107.53,110.66 107.48,110.66 arc(107.24,110.61) 107.04,110.47 107,110.44 arc(106.91,110.29) 106.87,110.12 106.87,110.05 arc(106.83,109.83) 106.71,109.64 106.53,109.47 arc(106.37,109.36) U1.3 ; 107.53,110.66 107.79,110.66 arc(108.25,110.57) 108.63,110.31 109.53,109.41 arc(109.7,109.3) Q1#2.2 ; 107.53,110.66 arc(107.2,110.72) 106.92,110.91 106.83,111 arc(106.66,111.12) 106.44,111.16 U1.1 ; U1.1 105.76,111.16 ; U1.1 arc(106.23,111.26) 106.68,111.56 106.85,111.74 arc(106.97,111.92) D1#2.1
  Bottom w0.5: 19.22,106.4 20.22,107.4 22.39,107.4 D1.1 ; U1#2.3 19.79,105.6 Q1.2 17.89,105.3 U1#2.1
Net-(D2-Pad1): length 2.2
  Bottom w0.15: 54.19,28.59 D2#2.1 ; D2.1 152.4,28.69
Net-(D2-Pad2): length 6
  Top w0.25: v2(150,27.58) 150,27.88 arc(150.05,28.11) 150.19,28.31 150.29,28.42 arc(150.39,28.49) U30.A20 ; U30#2.A20 52.27,28.46 51.91,28.1 v2(51.91,27.5)
  Bottom w0.15: v2(150,27.58) 151.27,27.58 ; v2(51.91,27.5) 53.89,27.5 D2#2.2
Net-(D3-Pad2): length 11
  Bottom w0.5: L4#2.2 64.08,108.43 arc(64.46,108.18) D3#2.2 65.22,108.09 arc(65.93,107.95) U32#2.3 ; 134.31,107.4 135.26,106.44 arc(135.69,105.8) 135.84,105.04 135.84,102.75 arc(135.85,102.74) D3.2 arc(136.3,102.42) 136.83,102.32 L4.2
Net-(D4-Pad1): length 2.5
  Bottom w0.5: R44.1 D4#2.1 ; R44#2.1 D4.1
Net-(J1-PadA6): length 32.8
  In1.Cu w0.15: v2(118.39,105.69) 118.39,105.9 arc(118.47,106.28) 118.68,106.61 arc(119.06,106.86) 119.51,106.95 120.85,106.95 arc(121.14,106.89) 121.38,106.73 arc(121.54,106.5) 121.59,106.22 121.59,105.95 arc(121.71,105.35) 122.05,104.84 122.14,104.75 arc(122.8,104.31) 123.57,104.16 123.72,104.16 arc(124.62,104.34) 125.38,104.85 arc(125.74,105.38) 125.86,106.01 125.86,106.56 arc(125.93,106.9) 126.12,107.19 arc(126.41,107.38) 126.75,107.45 126.76,107.45 arc(127.05,107.51) 127.29,107.67 127.36,107.73 arc(127.47,107.89) v2(127.5,108.08)
  Bottom w0.15: J1#2.B6 127.07,108.38 ; 127.07,108.38 127.07,108.1 126.77,107.8 126.4,107.8 126.07,108.13 J1#2.A6 ; 127.07,108.38 127.37,108.08 v2(127.5,108.08)
  Bottom w0.2: 29.32,107.93 29.62,107.93 29.89,108.2 29.89,108.67 29.83,108.73 J1.B6 ; 29.32,107.93 29.32,107.66 arc(29.72,106.68) 30.69,106.28 arc(31.46,106.43) 32.11,106.87 33.22,107.98 arc(33.65,108.26) 34.14,108.36 34.42,108.36 arc(35.33,108.73) 35.7,109.64 35.7,109.84 arc(35.93,110.38) 36.48,110.61 U28#2.3 ; 29.32,107.93 29.07,107.93 28.83,108.17 J1.A6
Net-(J1-PadA7): length 22
  Top w0.15: v2(126.58,108.24) v2(125.6,108.24)
  Top w0.2: v2(28.27,108.49) 28.32,108.45 v2(29.35,108.45)
  In1.Cu w0.15: v2(118.39,107.59) arc(118.94,107.96) 119.59,108.09 125.23,108.09 arc(125.43,108.13) v2(125.6,108.24)
  In1.Cu w0.2: v2(29.35,108.45) 29.63,108.17 arc(30.16,107.82) 30.79,107.69 31.9,107.69 arc(32.45,107.8) 32.92,108.11 arc(33.33,108.38) 33.81,108.48 34.81,108.48 arc(35.41,108.36) v2(35.92,108.02)
  Bottom w0.15: J1#2.B7 125.57,108.27 v2(125.6,108.24) ; J1#2.A7 126.57,108.25 v2(126.58,108.24)
  Bottom w0.2: J1.A7 29.33,108.47 v2(29.35,108.45) ; v2(28.27,108.49) 28.33,108.55 J1.B7 ; U28#2.1 36.36,108.21 arc(36.16,108.07) v2(35.92,108.02)
Net-(JP1-Pad1): length 179.1
  Top w0.15: v2(150.21,86.22) 150.56,86.57 U29#2.3 ; v2(44.35,31.67) 44.04,31.67 arc(43.75,31.61) 43.5,31.45 arc(43.22,31.26) 42.88,31.19 40.97,31.19 arc(40.46,31.09) 40.02,30.8 39.49,30.27 arc(39.16,30.05) 38.77,29.97 arc(38.6,30) 38.46,30.1 38.2,30.36 arc(37.96,30.53) 37.68,30.61 35,30.61 34.96,30.57 34.52,30.57 arc(34.29,30.61) 34.1,30.74 arc(33.95,30.97) 33.89,31.25 33.89,31.25 arc(33.84,31.53) 33.68,31.76 33.31,32.14 arc(32.86,32.8) 32.7,33.59 arc(32.54,34.4) 32.08,35.09 31.41,35.76 24.86,41.08 24.75,41.2 arc(24.49,41.59) 24.39,42.05 24.39,43.08 arc(24.29,43.61) 23.98,44.07 17.22,50.83 arc(16.59,51.25) 15.85,51.4 15.81,51.4 arc(15.16,51.27) 14.6,50.9 14.33,50.62 arc(13.81,50.28) 13.21,50.16 12.97,50.16 arc(12.57,50.24) 12.22,50.47 9.22,53.47 arc(8.59,53.89) 7.85,54.04 arc(7.39,54.13) 7,54.39 5.38,56.02 arc(4.7,57.03) 4.46,58.22 4.46,59.11 arc(4.72,60.39) 5.44,61.48 arc(6.31,62.77) 6.61,64.3 6.61,68.6 arc(6.72,69.13) 7.01,69.57 arc(7.47,70.26) 7.63,71.07 7.63,72.82 arc(7.54,73.32) 7.25,73.74 arc(7.08,74) 7.01,74.32 7.01,77.33 arc(7.11,77.81) 7.38,78.22 arc(7.77,78.79) 7.9,79.47 7.9,81.15 arc(7.43,83.54) 6.07,85.57 arc(5.63,86.23) 5.47,87.02 5.47,88.08 arc(5.31,88.89) 4.85,89.58 4.66,89.77 arc(4.5,89.88) U29.3
  In1.Cu w0.15: v2(143.71,33.62) arc(143.81,33.14) 144.08,32.73 149.31,27.5 arc(149.89,27.11) 150.57,26.97 151.77,26.97 arc(152.88,27.19) 153.82,27.82 arc(154.45,28.75) 154.66,29.85 154.66,79.25 arc(154.55,79.82) 154.23,80.3 151.56,82.96 arc(150.57,84.46) v2(150.21,86.22)
  Bottom w0.15: JP1#2.1 47.64,31.36 arc(47.68,31.55) 47.79,31.72 47.84,31.77 arc(47.99,32) 48.05,32.27 48.05,32.79 arc(48,33.01) R35#2.1 ; JP1#2.1 47.64,30.67 arc(47.67,30.5) 47.76,30.36 arc(47.94,30.24) 48.16,30.2 49.05,30.2 arc(49.26,30.16) 49.44,30.04 arc(49.55,29.87) 49.59,29.68 JP2#2.2 ; JP1#2.1 47.64,31.69 47.49,31.84 arc(47.2,32.03) 46.86,32.1 45.38,32.1 arc(44.82,31.99) v2(44.35,31.67) ; v2(143.71,33.62) 143.77,33.62 R35.1 145.72,31.67
  Bottom w0.3: JP1.1 145.72,30.55 146,30.26 147.4,30.26 147.67,30 JP2.2
